# Altium PCB 10515.0461_全联供输出板_V1.1_20200827_1P.PcbDoc (part 3 of 4) (continued)
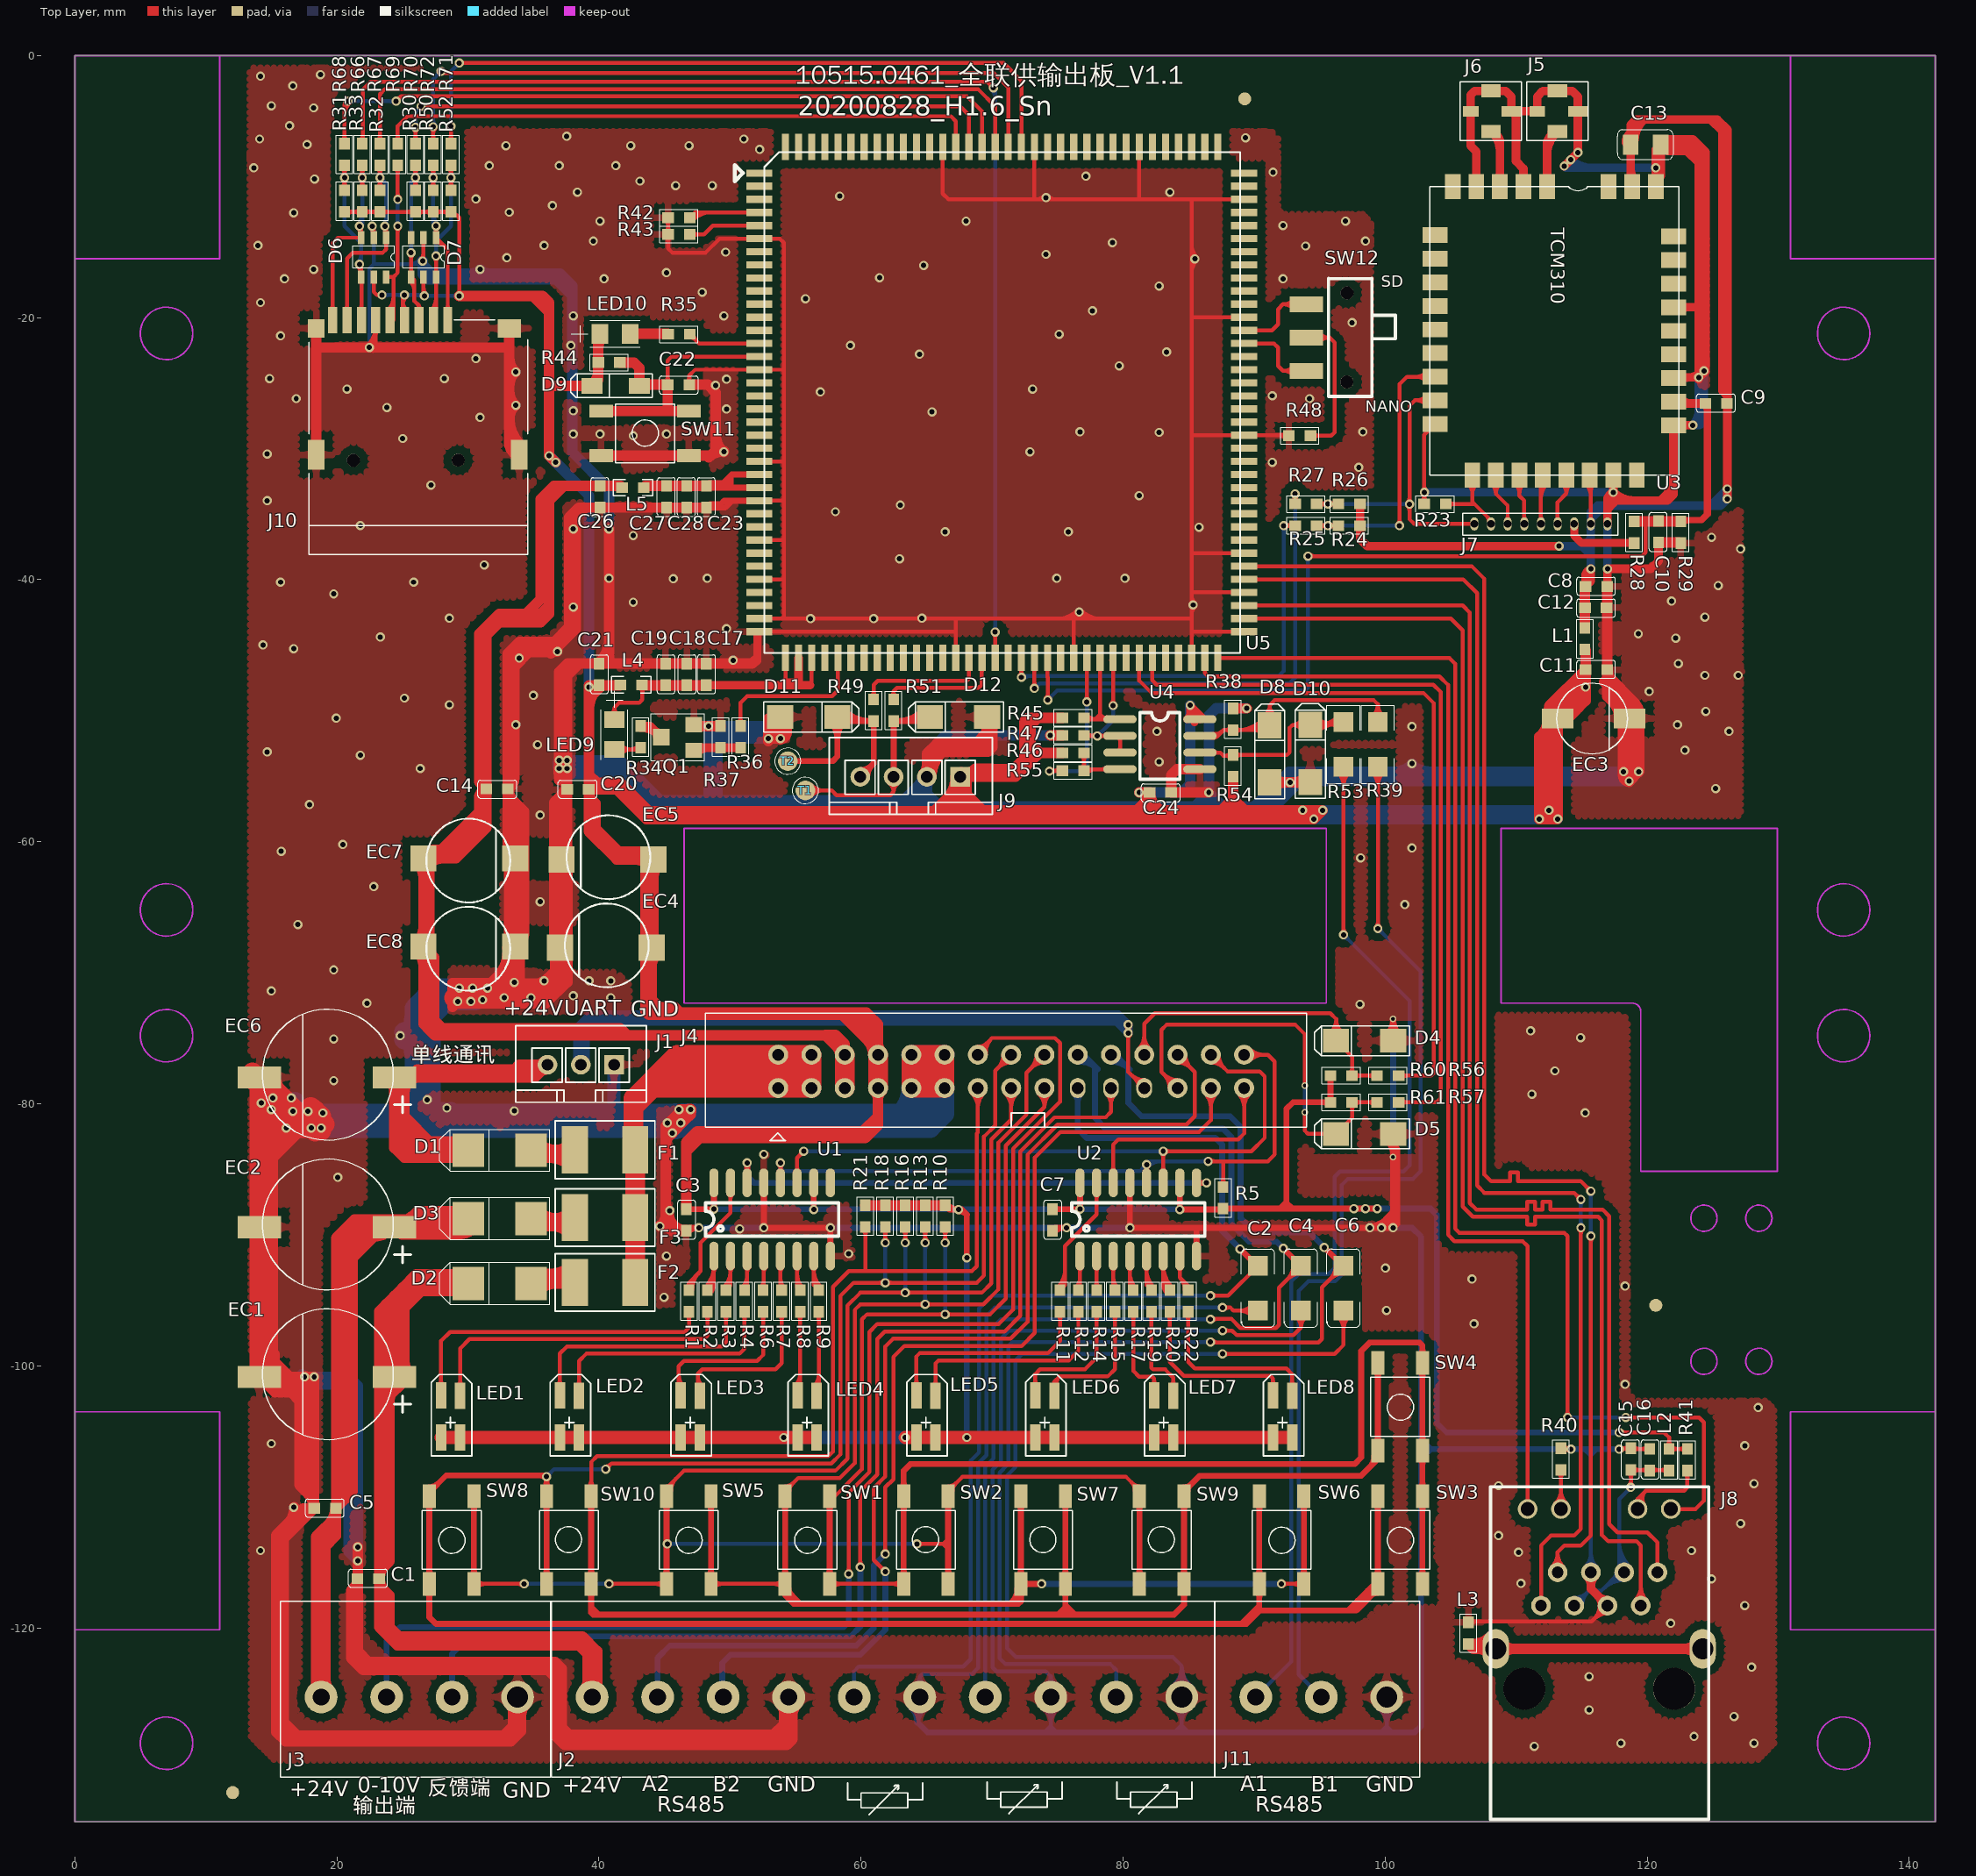
[diagram p0: Top Layer view]
## Nets (pads, with @x,y where several pads share a name; then routed paths per layer and width w, separated by ;. In a path a pad name is that pad's centre, name@x,y a point inside that pad or via, vN(x,y) a via of type N, cw(c..) or ccw(c..) an arc to the next point about the centre after c; other vN are vias at no path point) (continued)
  Bottom Layer w0.3: v1@115.556,-89.955 ccw(c115.214,-89.613) 115.697,-89.613 ccw(c116.18,-89.613) v1@115.838,-89.955 ; v1@115.556,-86.808 cw(c115.214,-87.15) 115.697,-87.15 cw(c116.18,-87.15) v1@115.838,-86.808 ; v1(115.697,-90.096) v1(115.697,-86.667)
NetC15_1: C15.1 C16.2 J8.3 J8.6 L2.2 | length 33
  Top Layer w0.3: C15.1@118.571,-108.161 cw(c118.134,-108.599) 118.753,-108.599 cw(c119.372,-108.599) C15.1@118.934,-108.161 ; v1@118.604,-109.132 ccw(c118.243,-108.771) 118.753,-108.771 ; v1@118.753,-109.265 C15.1@118.753,-107.942 L2.2@121.618,-107.942 ; 118.753,-108.809 ccw(c119.209,-108.809) v1@118.886,-109.132 ; C15.1@118.934,-108.123 cw(c119.372,-108.561) 119.372,-107.942 cw(c119.372,-107.323) C15.1@118.934,-107.76 ; 119.556,-107.942 cw(c119.556,-108.585) C16.2@120.011,-108.13 ; 119.59,-107.942 ccw(c119.59,-107.347) C16.2@120.011,-107.768 ; C16.2@120.373,-108.13 cw(c120.828,-108.585) 120.828,-107.942 ; C16.2@120.373,-107.768 ccw(c120.794,-107.347) 120.794,-107.942 ; 121.024,-107.942 cw(c121.024,-108.593) L2.2@121.485,-108.133 ; 121.07,-107.942 ccw(c121.07,-107.355) L2.2@121.485,-107.77
  Bottom Layer w0.3: J8.6@114.431,-118.294 115.578,-117.147 116.508,-117.147 117.901,-115.754 J8.3@118.241,-115.754 ; J8.6@114.431,-117.694 ccw(c114.431,-116.245) 115.455,-117.27 ccw(c116.48,-118.294) J8.6@115.031,-118.294 ; 116.636,-117.019 cw(c118.241,-118.623) J8.3@118.241,-116.354 ; 117.148,-116.507 cw(c118.241,-117.599) J8.3@118.241,-116.054 ; 117.457,-116.198 ccw(c117.013,-115.754) J8.3@117.641,-115.754 ; 117.856,-114.825 ccw(c119.17,-114.825) J8.3@118.241,-115.754 ; 117.856,-114.1 ccw(c119.895,-114.1) J8.3@118.453,-115.542 ; 117.856,-113.376 ccw(c120.619,-113.376) J8.3@118.665,-115.33 ; v1@118.545,-109.273 cw(c118.062,-109.273) 118.404,-109.614 cw(c118.745,-109.956) v1@118.745,-109.473 ; v1(118.745,-109.273) 117.856,-110.162 117.856,-115.369 J8.3@118.241,-115.754
NetD1_2: D1.2 F1.2 | length 17.1
  Top Layer w0.8: D1.2@34.823,-83.543 35.408,-84.127 F1.2@37.549,-84.127 ; D1.2@34.856,-83.51 F1.2@38.166,-83.51 F1.2@37.549,-84.127 ; D1.2@35.389,-84.108 cw(c36.833,-85.552) 36.833,-83.51 ; D1.2@35.389,-82.977 ccw(c36.677,-81.69) 36.677,-83.51 ; D1.2@35.449,-83.115 ccw(c37.549,-81.444) F1.2@37.549,-84.127 ; 36.274,-84.127 cw(c36.274,-86.202) F1.2@37.741,-84.735 ; 37.16,-84.127 ccw(c37.16,-83.305) F1.2@37.741,-83.886 ; F1.2@37.741,-83.935 ccw(c36.717,-84.959) 36.717,-83.51 ccw(c36.717,-82.062) F1.2@37.741,-83.086
NetD2_2: D2.2 F2.1 | length 17.7
  Top Layer w0.8: D2.2@34.823,-93.633 cw(c36.039,-94.408) 36.039,-92.966 ; D2.2@35.389,-94.268 cw(c36.755,-95.634) 36.755,-93.703 cw(c36.755,-91.771) D2.2@35.389,-93.137 ; D2.2@35.498,-94.063 cw(c37.498,-95.338) 37.498,-92.966 35.56,-92.966 D2.2@34.823,-93.703 F2.1@38.096,-93.703 ; 36.397,-92.966 ccw(c36.397,-91.065) F2.1@37.741,-92.409 ; 36.55,-93.703 ccw(c36.55,-92.018) F2.1@37.741,-93.209 ; 36.884,-93.703 cw(c36.884,-94.915) F2.1@37.741,-94.058 ; 37.037,-92.966 cw(c37.037,-93.962) F2.1@37.741,-93.258
NetD3_2: D3.2 F3.1 | length 16.2
  Top Layer w0.8: D3.2@35.389,-89.315 cw(c36.755,-90.681) 36.755,-88.75 cw(c36.755,-86.818) D3.2@35.389,-88.184 ; D3.2@35.455,-88.328 ccw(c37.512,-86.727) 37.512,-89.334 35.408,-89.334 D3.2@34.823,-88.75 F3.1@38.096,-88.75 ; 36.363,-89.334 cw(c36.363,-91.283) F3.1@37.741,-89.905 ; 36.55,-88.75 ccw(c36.55,-87.065) F3.1@37.741,-88.256 ; 36.884,-88.75 cw(c36.884,-89.962) F3.1@37.741,-89.105 ; 37.071,-89.334 ccw(c37.071,-88.386) F3.1@37.741,-89.056
NetD8_1: D8.1 R38.2 R39.1 U4.7 | length 31.2
  Top Layer w0.3: U4.7@85.859,-51.922 87.219,-51.922 87.668,-51.473 ; U4.7@86.809,-52.066 ccw(c86.861,-51.559) 87.222,-51.92 ; U4.7@86.84,-51.768 ccw(c86.944,-50.749) 87.668,-51.473 ; U4.7@86.933,-52.031 cw(c87.198,-52.296) 87.198,-51.922 cw(c87.198,-51.548) U4.7@86.933,-51.812 ; R38.2@88.211,-51.654 ccw(c87.773,-52.092) 87.773,-51.473 ccw(c87.773,-50.854) R38.2@88.211,-51.292 ; R38.2@88.573,-51.654 cw(c89.011,-52.092) 89.011,-51.473 cw(c89.011,-50.854) R38.2@88.573,-51.292 ; R38.2@88.73,-51.473 ccw(c88.73,-48.749) D8.1@90.656,-50.675 ; 89.454,-51.473 ccw(c89.454,-49.473) D8.1@90.868,-50.887 ; 90.021,-51.473 cw(c90.021,-52.37) D8.1@90.656,-51.736 ; 90.178,-51.473 ccw(c90.178,-50.198) D8.1@91.08,-51.1 ; D8.1@90.762,-50.387 ccw(c90.209,-49.581) 91.186,-49.581 ; D8.1@91.61,-50.387 cw(c92.163,-49.581) 91.186,-49.581 ; R39.1@99.04,-50.405 ccw(c98.231,-49.505) 99.441,-49.505 ; R39.1@99.441,-50.851 99.441,-49.505 ; R39.1@99.842,-50.405 cw(c100.651,-49.505) 99.441,-49.505 ; 87.668,-51.473 88.411,-51.473 91.618,-51.473 D8.1@91.186,-51.106 91.186,-49.581 ; 91.186,-49.581 91.567,-49.2 99.136,-49.2 99.441,-49.505
NetD10_1: D10.1 R53.1 R54.1 U4.6 | length 25.8
  Top Layer w0.3: U4.6@85.859,-53.192 87.406,-53.192 87.655,-53.442 88.328,-53.442 R54.1@88.392,-53.378 92.507,-53.378 92.71,-53.175 92.71,-51.308 92.938,-51.08 D10.1@94.285,-51.08 ; U4.6@86.933,-53.301 cw(c87.198,-53.566) 87.198,-53.192 cw(c87.198,-52.818) U4.6@86.933,-53.082 ; 87.712,-53.442 ccw(c87.712,-52.736) R54.1@88.211,-53.235 ; 87.834,-53.442 cw(c87.834,-53.974) R54.1@88.211,-53.598 ; R54.1@88.573,-53.559 cw(c89.011,-53.997) 89.011,-53.378 cw(c89.011,-52.759) R54.1@88.573,-53.197 ; D10.1@93.548,-51.131 94.424,-51.055 R53.1@96.629,-51.055 ; D10.1@93.647,-51.475 ccw(c92.938,-51.915) 92.938,-51.08 ccw(c92.938,-50.246) D10.1@93.647,-50.685 ; D10.1@94.603,-51.398 cw(c95.433,-52.228) 95.433,-51.055 ; D10.1@94.603,-50.762 ccw(c95.31,-50.055) 95.31,-51.055 ; D10.1@94.815,-51.611 cw(c96.157,-52.952) R53.1@96.157,-51.055 ; D10.1@94.815,-50.55 ccw(c96.034,-49.331) 96.034,-51.055 ; D10.1@94.898,-51.055 ccw(c94.898,-48.93) R53.1@96.401,-50.432 ; 95.622,-51.055 ccw(c95.622,-49.654) R53.1@96.613,-50.644 ; 95.855,-51.055 cw(c95.855,-51.827) R53.1@96.401,-51.281
NetJ5_1: J5.1 U3.4 | length 9.2
  Top Layer w0.65: U3.4@112.159,-9.464 ccw(c111.689,-8.994) 112.353,-8.994 ccw(c113.017,-8.994) U3.4@112.547,-9.464 ; U3.4@112.353,-10.008 112.353,-6.598 J5.1@113.157,-5.794 ; 112.353,-7.554 cw(c114.667,-7.554) J5.1@113.031,-5.918 ; 112.353,-6.77 cw(c113.196,-6.77) J5.1@112.957,-5.962 ; 112.478,-6.473 ccw(c111.861,-5.855) J5.1@112.732,-5.804
NetJ6_1: J6.1 U3.6 | length 8.4
  Top Layer w0.65: J6.1@108.077,-5.794 108.753,-6.47 U3.6@108.753,-10.008 ; J6.1@108.203,-5.918 cw(c106.876,-7.245) 108.753,-7.245 ; J6.1@108.278,-5.962 cw(c108.096,-6.593) 108.753,-6.593 ; J6.1@108.496,-5.841 ccw(c108.993,-5.98) 108.628,-6.345 ; U3.6@108.559,-9.464 ccw(c108.089,-8.994) 108.753,-8.994 ccw(c109.417,-8.994) U3.6@108.947,-9.464
NetJ8_10: J8.10 R40.1 | length 6.2
  Top Layer w0.3: J8.10@112.987,-110.5 ccw(c111.962,-109.475) 113.411,-109.475 ccw(c114.859,-109.476) J8.10@113.835,-110.5 ; R40.1@113.23,-108.159 cw(c112.792,-108.597) 113.411,-108.597 cw(c114.03,-108.597) R40.1@113.592,-108.159 ; J8.10@113.411,-110.924 R40.1@113.411,-107.939
NetJ8_11: J8.11 R41.1 | length 10.4
  Top Layer w0.3: 119.357,-110.058 ccw(c119.851,-110.551) J8.11@119.261,-110.924 119.261,-110.154 119.888,-109.527 ; J8.11@119.515,-110.764 cw(c120.176,-110.346) 119.623,-109.792 ; J8.11@119.768,-110.603 cw(c120.501,-110.14) 119.888,-109.527 ; R41.1@122.882,-108.209 cw(c122.444,-108.647) 123.063,-108.647 cw(c123.682,-108.647) R41.1@123.244,-108.209 ; R41.1@123.063,-107.989 123.063,-109.273 122.809,-109.527 119.888,-109.527
NetLED1_2: LED1.2 R1.2 | length 27
  Top Layer w0.3: LED1.2@27.763,-101.486 ccw(c27.336,-101.059) 27.94,-101.059 ccw(c28.544,-101.059) LED1.2@28.117,-101.486 ; LED1.2@27.94,-102.644 27.94,-98.097 28.632,-97.405 46.539,-97.405 46.863,-97.081 R1.2@46.863,-95.874 ; R1.2@46.682,-96.094 cw(c46.244,-96.532) 46.863,-96.532 cw(c47.482,-96.532) R1.2@47.044,-96.094
NetLED1_4: LED1.4 R2.2 | length 27
  Top Layer w0.3: LED1.4@29.223,-101.511 ccw(c28.796,-101.084) 29.4,-101.084 ccw(c30.004,-101.084) LED1.4@29.577,-101.511 ; LED1.4@29.4,-102.669 29.4,-98.669 30.11,-97.959 48.017,-97.959 48.278,-97.698 R2.2@48.278,-95.874 ; R2.2@48.097,-96.094 cw(c47.659,-96.532) 48.278,-96.532 cw(c48.897,-96.532) R2.2@48.459,-96.094
NetLED2_2: LED2.2 R3.2 | length 20.9
  Top Layer w0.3: LED2.2@36.835,-101.486 ccw(c36.408,-101.059) 37.011,-101.059 ccw(c37.615,-101.059) LED2.2@37.188,-101.486 ; LED2.2@37.011,-102.644 37.011,-99.059 37.557,-98.513 49.368,-98.513 49.693,-98.188 R3.2@49.693,-95.874 ; R3.2@49.512,-96.094 cw(c49.074,-96.532) 49.693,-96.532 cw(c50.312,-96.532) R3.2@49.875,-96.094
NetLED2_4: LED2.4 R4.2 | length 20.8
  Top Layer w0.3: LED2.4@38.295,-101.511 ccw(c37.868,-101.084) 38.471,-101.084 ccw(c39.075,-101.084) LED2.4@38.648,-101.511 ; LED2.4@38.471,-102.669 38.471,-99.631 39.035,-99.067 50.719,-99.067 51.108,-98.678 R4.2@51.108,-95.874 ; R4.2@50.927,-96.094 cw(c50.489,-96.532) 51.108,-96.532 cw(c51.727,-96.532) R4.2@51.29,-96.094
NetLED3_2: LED3.2 R6.2 | length 14.2
  Top Layer w0.3: LED3.2@46.083,-102.263 46.083,-100.02 46.482,-99.621 52.07,-99.621 52.524,-99.167 R6.2@52.524,-95.874 ; 46.083,-100.709 ccw(c47.182,-100.709) LED3.2@46.405,-101.486 ; R6.2@52.342,-96.094 cw(c51.905,-96.532) 52.524,-96.532 cw(c53.143,-96.532) R6.2@52.705,-96.094
NetLED3_4: LED3.4 R7.2 | length 14.2
  Top Layer w0.3: LED3.4@47.543,-102.288 47.543,-100.592 47.879,-100.256 53.467,-100.256 53.939,-99.784 R7.2@53.939,-95.874 ; 47.543,-100.734 ccw(c48.642,-100.734) LED3.4@47.865,-101.511 ; R7.2@53.757,-96.094 cw(c53.32,-96.532) 53.939,-96.532 cw(c54.558,-96.532) R7.2@54.12,-96.094
NetLED4_2: LED4.2 R8.2 | length 9.6
  Top Layer w0.3: LED4.2@54.978,-101.486 ccw(c54.069,-100.578) 55.354,-100.578 ; LED4.2@55.154,-101.562 LED4.2@55.154,-102.263 55.354,-102.063 R8.2@55.354,-95.874 ; R8.2@55.173,-96.094 cw(c54.735,-96.532) 55.354,-96.532 cw(c55.973,-96.532) R8.2@55.535,-96.094 ; LED4.2@55.19,-101.698 ccw(c54.793,-101.302) LED4.2@55.354,-101.302
NetLED4_4: LED4.4 R9.2 | length 9
  Top Layer w0.3: LED4.4@56.438,-101.511 ccw(c55.637,-100.711) 56.769,-100.711 ; R9.2@56.588,-96.094 cw(c56.15,-96.532) 56.769,-96.532 cw(c57.388,-96.532) R9.2@56.95,-96.094 ; LED4.4@56.614,-101.625 LED4.4@56.614,-102.288 56.769,-102.133 R9.2@56.769,-95.874
NetLED5_2: LED5.2 R11.2 | length 19
  Top Layer w0.3: LED5.2@64.049,-101.486 ccw(c63.622,-101.059) 64.226,-101.059 ccw(c64.829,-101.059) LED5.2@64.402,-101.486 ; LED5.2@64.226,-102.644 LED5.2@64.226,-102.263 64.226,-99.276 64.467,-99.035 74.246,-99.035 75.184,-98.097 R11.2@75.184,-95.874 ; R11.2@75.003,-96.094 cw(c74.565,-96.532) 75.184,-96.532 cw(c75.803,-96.532) R11.2@75.365,-96.094
NetLED5_4: LED5.4 R12.2 | length 19.1
  Top Layer w0.3: LED5.4@65.509,-101.511 ccw(c65.082,-101.084) 65.686,-101.084 ccw(c66.289,-101.084) LED5.4@65.862,-101.511 ; LED5.4@65.686,-102.669 LED5.4@65.686,-102.288 65.686,-99.808 65.905,-99.589 75.851,-99.589 76.581,-98.859 R12.2@76.581,-95.874 ; R12.2@76.4,-96.094 cw(c75.962,-96.532) 76.581,-96.532 cw(c77.2,-96.532) R12.2@76.762,-96.094
NetLED6_2: LED6.2 R14.2 | length 12.6
  Top Layer w0.3: LED6.2@73.12,-101.486 ccw(c72.694,-101.059) 73.297,-101.059 ccw(c73.901,-101.059) LED6.2@73.474,-101.486 ; LED6.2@73.297,-102.644 LED6.2@73.297,-102.263 73.297,-100.619 73.66,-100.256 77.089,-100.256 77.978,-99.367 R14.2@77.978,-95.874 ; R14.2@77.797,-96.094 cw(c77.359,-96.532) 77.978,-96.532 cw(c78.597,-96.532) R14.2@78.159,-96.094
NetLED6_4: LED6.4 R15.2 | length 14
  Top Layer w0.3: LED6.4@74.608,-101.487 ccw(c74.388,-101.191) 74.757,-101.191 ; LED6.4@74.711,-101.708 cw(c75.199,-101.499) 74.824,-101.124 ; LED6.4@74.757,-102.669 LED6.4@74.757,-102.288 74.757,-101.191 ; LED6.4@74.906,-101.487 cw(c75.126,-101.191) 74.757,-101.191 ; LED6.4@74.987,-101.59 cw(c75.64,-101.312) 75.138,-100.81 ; R15.2@79.194,-96.094 cw(c78.756,-96.532) 79.375,-96.532 cw(c79.994,-96.532) R15.2@79.556,-96.094 ; R15.2@79.375,-95.874 79.375,-100.256 78.821,-100.81 75.138,-100.81 ; 74.757,-101.191 75.138,-100.81
NetLED7_2: LED7.2 R17.2 | length 10.2
  Top Layer w0.3: R17.2@80.591,-96.094 cw(c80.153,-96.532) 80.772,-96.532 cw(c81.391,-96.532) R17.2@80.953,-96.094 ; R17.2@80.772,-95.874 80.772,-100.383 81.216,-100.827 82.232,-100.827 82.369,-100.964 LED7.2@82.369,-102.263 ; LED7.2@82.192,-101.486 ccw(c81.765,-101.059) 82.369,-101.059 ccw(c82.972,-101.059) LED7.2@82.545,-101.486 ; LED7.2@82.369,-102.644 LED7.2@82.369,-101.98
NetLED7_4: LED7.4 R19.2 | length 9.9
  Top Layer w0.3: R19.2@81.988,-96.094 cw(c81.55,-96.532) 82.169,-96.532 cw(c82.788,-96.532) R19.2@82.35,-96.094 ; R19.2@82.169,-95.874 82.169,-98.986 82.169,-100.147 82.296,-100.274 83.211,-100.274 83.829,-100.891 LED7.4@83.829,-102.669 ; LED7.4@83.652,-101.511 ccw(c83.225,-101.084) 83.829,-101.084 ccw(c84.432,-101.084) LED7.4@84.005,-101.511
NetLED8_2: LED8.2 R20.2 | length 15.8
  Top Layer w0.3: R20.2@83.385,-96.094 cw(c82.947,-96.532) 83.566,-96.532 cw(c84.185,-96.532) R20.2@83.747,-96.094 ; R20.2@83.566,-95.874 83.566,-99.695 84.628,-100.757 91.232,-100.757 91.44,-100.965 LED8.2@91.44,-102.644 ; LED8.2@91.263,-101.486 ccw(c90.836,-101.059) 91.44,-101.059 ccw(c92.044,-101.059) LED8.2@91.617,-101.486
NetLED8_4: LED8.4 R22.2 | length 16.1
  Top Layer w0.3: R22.2@84.782,-96.094 cw(c84.344,-96.532) 84.963,-96.532 cw(c85.582,-96.532) R22.2@85.144,-96.094 ; R22.2@84.963,-95.874 84.963,-99.695 85.471,-100.203 92.456,-100.203 92.9,-100.647 LED8.4@92.9,-102.669 ; LED8.4@92.723,-101.511 ccw(c92.296,-101.084) 92.9,-101.084 ccw(c93.504,-101.084) LED8.4@93.077,-101.511
NetLED9_1: LED9.1 R34.1 | length 4.7
  Top Layer w0.3: LED9.1@41.173,-52.961 43.04,-52.961 R34.1@43.18,-52.821 ; LED9.1@41.643,-53.304 cw(c42.471,-54.132) 42.471,-52.961 cw(c42.471,-51.79) LED9.1@41.643,-52.618 ; 42.316,-52.961 ccw(c42.316,-51.995) R34.1@42.999,-52.678
NetLED10_1: LED10.1 R35.2 | length 2.9
  Top Layer w0.8: LED10.1@42.367,-21.237 R35.2@45.25,-21.237
NetQ1_1: Q1.1 R36.2 R37.2 | length 4.3
  Top Layer w0.65: Q1.1@47.434,-52.821 R37.2@49.276,-52.821 R36.2@50.8,-52.821 ; Q1.1@47.482,-53.186 cw(c48.363,-54.067) 48.363,-52.821
NetQ1_3: Q1.3 R34.2 | length 5.9
  Top Layer w0.65: R34.2@43.18,-51.29 cw(c43.18,-53.323) Q1.3@44.617,-51.885 ; R34.2@43.18,-51.17 43.903,-51.17 Q1.3@44.744,-52.012 ; R34.2@43.204,-51.286 cw(c43.525,-52.308) Q1.3@44.283,-51.551 ; Q1.3@44.434,-52.012 ccw(c43.686,-52.012) 44.215,-51.483 ccw(c44.744,-50.954) Q1.3@44.744,-51.702
NetR42_1: R42.1 U5.4 | length 8.5
  Top Layer w0.3: R42.1@46.926,-12.372 47.329,-11.969 U5.4@52.232,-11.969 ; R42.1@46.934,-12.341 cw(c47.832,-13.24) 47.832,-11.969 ; R42.1@47.146,-12.553 cw(c48.557,-13.964) 48.557,-11.969 ; U5.4@51.419,-12.057 ccw(c51.205,-12.271) 51.205,-11.969 ccw(c51.205,-11.667) U5.4@51.419,-11.881
NetR43_1: R43.1 U5.5 | length 7
  Top Layer w0.3: R43.1@46.926,-13.642 48.006,-13.642 48.679,-12.969 U5.5@52.232,-12.969 ; R43.1@47.146,-13.823 cw(c47.584,-14.261) 47.584,-13.642 cw(c47.584,-13.023) R43.1@47.146,-13.461 ; U5.5@51.419,-13.057 ccw(c51.205,-13.271) 51.205,-12.969 ccw(c51.205,-12.667) U5.5@51.419,-12.881
NetR46_2: R46.2 R55.1 U4.4 | length 7.5
  Top Layer w0.3: R55.1@76.831,-54.39 ccw(c76.394,-53.953) 77.013,-53.953 ccw(c77.632,-53.953) R55.1@77.194,-54.39 ; R46.2@76.831,-53.407 cw(c76.394,-53.845) 77.013,-53.845 cw(c77.632,-53.845) R46.2@77.194,-53.407 ; R46.2@77.013,-53.226 R55.1@77.013,-54.572 77.123,-54.462 U4.4@79.763,-54.462 ; R55.1@77.232,-54.753 cw(c77.935,-55.456) 77.935,-54.462 ; U4.4@78.688,-54.571 ccw(c78.424,-54.836) 78.424,-54.462 ccw(c78.424,-54.088) U4.4@78.688,-54.352
NetR48_2: R48.2 SW12.2 | length 13.8
  Top Layer w0.3: SW12.2@93.98,-21.516 95.758,-21.516 96.139,-21.897 96.139,-28.755 95.885,-29.009 R48.2@94.297,-29.009 ; R48.2@94.517,-29.19 cw(c94.955,-29.628) 94.955,-29.009 cw(c94.955,-28.39) R48.2@94.517,-28.828 ; SW12.2@94.968,-21.834 cw(c95.736,-22.602) 95.736,-21.516 cw(c95.736,-20.43) SW12.2@94.968,-21.198
NetR49_2: R49.2 U5.51 | length 11.7
  Top Layer w0.3: R49.2@60.779,-48.919 ccw(c60.341,-48.481) 60.96,-48.481 ccw(c61.579,-48.481) R49.2@61.141,-48.919 ; R49.2@60.96,-49.138 60.96,-48.006 61.26,-47.706 68.072,-47.706 68.232,-47.546 U5.51@68.232,-45.969 U5.51@68.199,-46.002 ; U5.51@68.144,-46.782 cw(c67.93,-46.996) 68.232,-46.996 cw(c68.534,-46.996) U5.51@68.32,-46.782
NetR51_2: R51.2 U5.52 | length 10.8
  Top Layer w0.3: R51.2@62.31,-48.912 ccw(c61.942,-48.514) 62.484,-48.514 ; R51.2@62.484,-49.138 62.484,-48.514 ; R51.2@62.658,-48.912 cw(c63.026,-48.514) 62.484,-48.514 ; 69.215,-47.037 cw(c69.575,-47.037) U5.52@69.32,-46.782 ; U5.52@69.232,-45.969 69.215,-45.986 69.215,-48.006 68.961,-48.26 62.738,-48.26 62.484,-48.514
NTC1: C4.1 J2.4 J4.20 | length 93.3
  Top Layer w0.3: v1(86.665,-96.444) 86.69,-96.418 88.265,-96.418 88.951,-97.104 91.669,-97.104 91.897,-96.876 91.897,-94.031 C4.1@93.561,-92.367 ; v1@86.806,-96.585 cw(c87.209,-96.988) 87.209,-96.418 ; v1@86.806,-96.302 ccw(c87.086,-96.022) 87.086,-96.418 ; C4.1@92.974,-92.355 cw(c91.525,-92.355) 92.549,-93.379 cw(c93.574,-94.403) C4.1@93.574,-92.955
  Top Layer w0.45: v1(92.227,-91.034) C4.1@93.561,-92.367
  Bottom Layer w0.3: J2.4@70.12,-124.631 J2.4@69.476,-125.275 69.476,-107.691 70.12,-107.047 70.12,-97.003 70.679,-96.444 v1(86.665,-96.444) ; v1@86.523,-96.585 ccw(c86.182,-96.927) 86.182,-96.444 ccw(c86.182,-95.961) v1@86.523,-96.302
  Bottom Layer w0.45: J4.20@76.533,-76.253 76.962,-76.253 77.851,-77.142 77.851,-81.079 78.667,-81.895 86.106,-81.895 86.11,-81.899 87.614,-81.899 88.258,-82.543 88.258,-89.172 89.604,-90.518 91.712,-90.518 v1(92.227,-91.034) ; J4.20@76.538,-76.34 cw(c76.604,-77.406) 77.36,-76.651 ; J4.20@76.566,-76.789 cw(c76.686,-78.735) 78.065,-77.356
NTC2: C6.1 J2.2 J4.22 | length 102
  Top Layer w0.3: v1(86.665,-98.171) 86.706,-98.212 94.904,-98.212 95.174,-97.942 95.174,-94.006 C6.1@96.825,-92.355 ; v1@86.806,-98.312 cw(c87.048,-98.554) 87.048,-98.212 ; v1@86.806,-98.03 ccw(c87.247,-97.589) 87.247,-98.212 ; C6.1@96.225,-92.355 cw(c94.776,-92.355) 95.801,-93.379 cw(c96.825,-94.403) C6.1@96.825,-92.955
  Top Layer w0.45: v1(95.352,-90.957) 96.825,-92.431 C6.1@96.825,-92.278
  Bottom Layer w0.3: J2.2@79.476,-125.275 79.476,-123.215 79.024,-122.763 71.021,-122.763 70.584,-122.326 70.584,-108.15 71.228,-107.506 71.228,-98.481 71.538,-98.171 v1(86.665,-98.171) ; v1@86.523,-98.312 ccw(c86.182,-98.654) 86.182,-98.171 ccw(c86.182,-97.688) v1@86.523,-98.03
  Bottom Layer w0.45: J4.22@79.073,-76.79 cw(c79.073,-78.816) 80.505,-77.383 ; J4.22@79.073,-76.253 79.375,-76.253 80.391,-77.269 80.391,-79.936 81.407,-80.952 88.161,-80.952 88.962,-81.753 88.962,-88.733 90.043,-89.814 94.209,-89.814 v1(95.352,-90.957) ; J4.22@79.61,-76.253 ccw(c80.177,-76.253) 79.776,-76.654
NTC3: C2.1 J2.6 J4.19 | length 89.2
  Top Layer w0.3: v1(86.665,-94.64) 88.011,-94.64 C2.1@90.297,-92.355 ; v1@86.806,-94.782 cw(c87.148,-95.123) 87.148,-94.64 cw(c87.148,-94.158) v1@86.806,-94.499
  Top Layer w0.45: v1(88.925,-91.085) 90.195,-92.355 C2.1@90.297,-92.355
  Bottom Layer w0.3: J2.6@59.476,-125.275 59.476,-123.302 59.817,-122.961 67.793,-122.961 68.368,-122.386 68.368,-107.232 69.012,-106.588 69.012,-105.816 ; 69.012,-106.045 69.012,-105.816 ; v1@86.523,-94.782 ccw(c86.182,-95.123) 86.182,-94.64 ccw(c86.182,-94.158) v1@86.523,-94.499 ; v1(86.665,-94.64) 69.985,-94.64 69.012,-95.614 69.012,-105.816
  Bottom Layer w0.45: J4.19@76.268,-79.22 cw(c75.628,-79.86) 76.533,-79.86 cw(c77.438,-79.86) J4.19@76.798,-79.22 ; J4.19@76.533,-78.793 76.533,-81.92 77.216,-82.603 87.048,-82.603 87.554,-83.109 87.554,-89.713 v1(88.925,-91.085)
O_LED1: R1.1 U1.15 | length 13.5
  Top Layer w0.3: R1.1@46.703,-93.985 ccw(c46.436,-93.652) 46.863,-93.652 ; R1.1@46.819,-94.185 cw(c48.002,-94.185) 47.166,-93.349 ; R1.1@46.863,-94.223 46.863,-93.652 ; R1.1@47.023,-93.985 cw(c47.29,-93.652) 46.863,-93.652 ; R1.1@47.119,-94.185 cw(c49.026,-94.185) 47.678,-92.837 ; U1.15@49.897,-86.923 cw(c49.555,-87.265) 50.038,-87.265 cw(c50.521,-87.265) U1.15@50.179,-86.923 ; U1.15@50.038,-86.032 50.038,-88.318 47.752,-90.604 47.752,-92.763 46.863,-93.652
O_LED2: R2.1 U1.1 | length 8.2
  Top Layer w0.3: R2.1@48.097,-94.004 ccw(c46.477,-92.384) U1.1@48.768,-92.384 ; R2.1@48.278,-94.223 48.768,-93.734 ; R2.1@48.283,-93.929 ccw(c48.296,-93.262) 48.768,-93.734 ; R2.1@48.309,-94.216 ccw(c47.201,-93.108) 48.768,-93.108 ; R2.1@48.521,-94.428 ccw(c47.925,-93.832) 48.768,-93.832 ; R2.1@48.535,-94.185 cw(c49.062,-94.185) 48.689,-93.813 ; U1.1@48.627,-92.511 cw(c48.285,-92.853) 48.768,-92.853 cw(c49.251,-92.853) U1.1@48.909,-92.511 ; U1.1@48.768,-91.62 48.768,-93.734
O_LED3: R3.1 U1.2 | length 5.8
  Top Layer w0.3: R3.1@49.512,-94.004 ccw(c48.242,-92.734) 50.038,-92.734 ; R3.1@49.693,-94.223 50.038,-93.879 U1.2@50.038,-91.62 ; R3.1@49.724,-94.216 ccw(c48.966,-93.458) 50.038,-93.458 ; U1.2@49.897,-92.511 cw(c49.555,-92.853) 50.038,-92.853 cw(c50.521,-92.853) U1.2@50.179,-92.511
O_LED4: R4.1 U1.3 | length 4.6
  Top Layer w0.3: R4.1@50.927,-94.004 ccw(c50.008,-93.085) 51.308,-93.085 ; R4.1@51.139,-94.216 ccw(c50.732,-93.809) R4.1@51.308,-93.809 ; U1.3@51.167,-92.511 cw(c50.825,-92.853) 51.308,-92.853 cw(c51.791,-92.853) U1.3@51.449,-92.511 ; R4.1@51.308,-94.024 U1.3@51.308,-91.62
O_LED5: R6.1 U1.4 | length 4.3
  Top Layer w0.3: R6.1@52.342,-94.004 ccw(c51.773,-93.435) 52.578,-93.435 ; U1.4@52.437,-92.511 cw(c52.095,-92.853) 52.578,-92.853 cw(c53.061,-92.853) U1.4@52.719,-92.511 ; R6.1@52.578,-94.169 U1.4@52.578,-91.62 ; 52.578,-93.698 ccw(c53.011,-93.698) R6.1@52.705,-94.004
O_LED6: R7.1 U1.5 | length 4.2
  Top Layer w0.3: U1.5@53.707,-92.511 cw(c53.365,-92.853) 53.848,-92.853 cw(c54.331,-92.853) U1.5@53.989,-92.511 ; R7.1@53.757,-94.004 ccw(c53.539,-93.785) R7.1@53.848,-93.785 ; R7.1@53.848,-94.133 U1.5@53.848,-91.62 ; 53.848,-93.347 ccw(c54.777,-93.347) R7.1@54.12,-94.004
O_LED7: R8.1 U1.6 | length 4.8
  Top Layer w0.3: U1.6@54.977,-92.511 cw(c54.635,-92.853) 55.118,-92.853 cw(c55.601,-92.853) U1.6@55.259,-92.511 ; R8.1@55.118,-93.988 U1.6@55.118,-91.62 ; 55.118,-93.721 ccw(c55.818,-93.721) R8.1@55.323,-94.216 ; 55.118,-92.997 ccw(c56.542,-92.997) R8.1@55.535,-94.004
O_LED8: R9.1 U1.7 | length 5.4
  Top Layer w0.3: U1.7@56.247,-92.511 cw(c55.905,-92.853) 56.388,-92.853 cw(c56.871,-92.853) U1.7@56.529,-92.511 ; R9.1@56.388,-93.843 U1.7@56.388,-91.62 ; 56.388,-93.371 ccw(c57.584,-93.371) R9.1@56.738,-94.216 ; U1.7@56.388,-92.647 ccw(c58.308,-92.647) R9.1@56.95,-94.004
O_LED9: R11.1 U2.15 | length 12.6
  Top Layer w0.3: R11.1@75.003,-94.004 ccw(c73.645,-92.647) 75.565,-92.647 ; R11.1@75.184,-94.223 75.565,-93.842 75.565,-90.858 77.978,-88.445 U2.15@77.978,-86.032 ; R11.1@75.215,-94.216 ccw(c74.369,-93.371) 75.565,-93.371 ; U2.15@77.837,-86.923 cw(c77.495,-87.265) 77.978,-87.265 cw(c78.461,-87.265) U2.15@78.119,-86.923
O_LED10: R12.1 U2.1 | length 4.1
  Top Layer w0.3: R12.1@76.4,-94.004 ccw(c75.655,-93.26) 76.708,-93.26 ; U2.1@76.567,-92.511 cw(c76.225,-92.853) 76.708,-92.853 cw(c77.191,-92.853) U2.1@76.849,-92.511 ; R12.1@76.708,-94.096 U2.1@76.708,-91.62
O_LED11: R14.1 U2.2 | length 4.3
  Top Layer w0.3: R14.1@77.797,-94.004 ccw(c77.359,-93.566) 77.978,-93.566 ccw(c78.597,-93.566) R14.1@78.159,-94.004 ; U2.2@77.837,-92.511 cw(c77.495,-92.853) 77.978,-92.853 cw(c78.461,-92.853) U2.2@78.119,-92.511 ; R14.1@77.978,-94.223 U2.2@77.978,-91.62
O_LED12: R15.1 U2.3 | length 4.1
  Top Layer w0.3: U2.3@79.107,-92.511 cw(c78.765,-92.853) 79.248,-92.853 cw(c79.731,-92.853) U2.3@79.389,-92.511 ; R15.1@79.248,-94.096 U2.3@79.248,-91.62 ; 79.248,-93.26 ccw(c80.301,-93.26) R15.1@79.556,-94.004
O_LED13: R17.1 U2.4 | length 4.9
  Top Layer w0.3: U2.4@80.377,-92.511 cw(c80.035,-92.853) 80.518,-92.853 cw(c81.001,-92.853) U2.4@80.659,-92.511 ; R17.1@80.518,-93.969 U2.4@80.518,-91.62 ; 80.518,-93.677 ccw(c81.28,-93.677) R17.1@80.741,-94.216 ; 80.518,-92.953 ccw(c82.004,-92.953) R17.1@80.953,-94.004
O_LED14: R19.1 U2.5 | length 5.4
  Top Layer w0.3: U2.5@81.647,-92.511 cw(c81.305,-92.853) 81.788,-92.853 cw(c82.271,-92.853) U2.5@81.929,-92.511 ; R19.1@81.788,-93.842 U2.5@81.788,-91.62 ; 81.788,-93.371 ccw(c82.984,-93.371) R19.1@82.138,-94.216 ; U2.5@81.788,-92.647 ccw(c83.708,-92.647) R19.1@82.35,-94.004
O_LED15: R20.1 U2.6 | length 8.4
  Top Layer w0.3: U2.6@82.917,-92.511 cw(c82.575,-92.853) 83.058,-92.853 cw(c83.541,-92.853) U2.6@83.199,-92.511 ; 83.058,-93.788 ccw(c83.963,-93.788) R20.1@83.323,-94.428 ; 83.058,-93.064 ccw(c84.687,-93.064) R20.1@83.535,-94.216 ; U2.6@83.058,-92.34 ccw(c85.411,-92.34) R20.1@83.747,-94.004 ; U2.6@83.058,-91.62 83.058,-93.715 R20.1@83.566,-94.223 ; 83.077,-93.735 ccw(c83.547,-93.265) R20.1@83.561,-93.929 ; 83.155,-93.813 cw(c82.783,-94.185) R20.1@83.31,-94.185
O_LED16: R22.1 U2.7 | length 5.1
  Top Layer w0.3: U2.7@84.187,-92.511 cw(c83.845,-92.853) 84.328,-92.853 cw(c84.811,-92.853) U2.7@84.469,-92.511 ; U2.7@84.328,-91.62 84.328,-93.271 ; R22.1@84.707,-94.185 ccw(c83.413,-94.185) 84.328,-93.271 ; R22.1@84.84,-93.783 cw(c84.437,-94.185) R22.1@85.007,-94.185 ; R22.1@84.963,-94.223 84.963,-93.906 84.328,-93.271
O_LED_RCLK: J4.30 R5.2 U1.12 U2.12 | length 64.3
  Top Layer w0.3: U1.12@53.707,-85.141 ccw(c53.365,-84.799) 53.848,-84.799 ccw(c54.331,-84.799) U1.12@53.989,-85.141 ; v1@53.707,-84.649 cw(c53.365,-84.991) 53.848,-84.991 cw(c54.331,-84.991) v1@53.989,-84.649 ; U1.12@53.848,-86.032 v1(53.848,-84.508) ; U2.12@81.647,-85.141 ccw(c81.305,-84.799) 81.788,-84.799 ccw(c82.271,-84.799) U2.12@81.929,-85.141 ; v1@81.647,-84.776 cw(c81.305,-85.118) 81.788,-85.118 cw(c82.271,-85.118) v1@81.929,-84.776 ; U2.12@81.788,-86.032 v1(81.788,-84.635) ; v1(86.487,-84.381) 91.059,-84.381 91.567,-83.873 91.567,-76.761 91.059,-76.253 J4.30@89.233,-76.253 ; v1@86.628,-84.522 cw(c86.97,-84.864) 86.97,-84.381 cw(c86.97,-83.898) v1@86.628,-84.24 ; R5.2@87.449,-86.13 ccw(c87.011,-85.692) 87.63,-85.692 ccw(c88.249,-85.692) R5.2@87.811,-86.13 ; R5.2@87.63,-86.222 87.63,-84.381 ; J4.30@89.666,-76.686 cw(c90.71,-77.73) 90.71,-76.253 cw(c90.71,-74.775) J4.30@89.666,-75.82
  Bottom Layer w0.3: v1(53.848,-84.508) 53.848,-84.889 ; v1@81.588,-84.635 cw(c81.105,-84.635) 81.447,-84.976 cw(c81.788,-85.318) v1@81.788,-84.835 ; v1@81.717,-84.564 cw(c82.16,-85.007) 82.16,-84.381 ; v1@81.929,-84.776 cw(c82.884,-85.731) 82.884,-84.381 ; v1@86.346,-84.522 ccw(c86.004,-84.864) 86.004,-84.381 ccw(c86.004,-83.898) v1@86.346,-84.24 ; v1(86.487,-84.381) 82.042,-84.381 v1(81.788,-84.635) 81.28,-85.143 54.102,-85.143 53.848,-84.889 ; 53.848,-84.889 cw(c54.111,-84.889) 53.962,-84.673 ccw(c54.111,-84.889) 53.848,-84.889 ; 53.848,-84.889 ccw(c53.585,-84.889) 53.734,-84.673 cw(c53.585,-84.889) 53.848,-84.889
O_LED_SER: J4.29 U2.14 | length 19.8
  Top Layer w0.3: U2.14@79.107,-85.141 ccw(c78.765,-84.799) 79.248,-84.799 ccw(c79.731,-84.799) U2.14@79.389,-85.141 ; U2.14@79.248,-86.032 79.248,-83.111 79.629,-82.73 86.639,-82.73 88.773,-82.73 89.233,-82.27 J4.29@89.233,-78.793 ; J4.29@88.8,-79.226 cw(c87.755,-80.27) 89.233,-80.27 cw(c90.71,-80.27) J4.29@89.666,-79.226
O_LED_SRCLK: J4.28 U1.11 U2.11 | length 57.8
  Top Layer w0.3: U1.11@54.977,-85.141 ccw(c54.635,-84.799) 55.118,-84.799 ccw(c55.601,-84.799) U1.11@55.259,-85.141 ; U1.11@55.118,-86.032 55.118,-84.127 v1(55.626,-83.619) ; v1@55.426,-83.619 cw(c54.943,-83.619) 55.285,-83.96 cw(c55.626,-84.302) v1@55.626,-83.819 ; U2.11@82.917,-85.141 ccw(c82.575,-84.799) 83.058,-84.799 ccw(c83.541,-84.799) U2.11@83.199,-85.141 ; v1@82.917,-83.76 cw(c82.575,-84.102) 83.058,-84.102 cw(c83.541,-84.102) 83.199,-83.76 cw(c83.541,-84.102) 83.541,-83.619 cw(c83.541,-83.136) v1@83.199,-83.478 ; U2.11@83.058,-86.032 v1(83.058,-83.619) 89.789,-83.619 90.805,-82.603 90.805,-77.904 90.424,-77.523 87.963,-77.523 J4.28@86.693,-76.253 ; J4.28@86.693,-76.865 cw(c86.693,-78.343) 87.738,-77.298 cw(c88.782,-76.253) J4.28@87.305,-76.253
  Bottom Layer w0.3: v1(55.626,-83.619) v1(83.058,-83.619) ; v1@55.767,-83.76 cw(c56.109,-84.102) 56.109,-83.619 cw(c56.109,-83.136) v1@55.767,-83.478 ; v1@82.917,-83.76 ccw(c82.575,-84.102) 82.575,-83.619 ccw(c82.575,-83.136) v1@82.917,-83.478
ONOFF: U5.1